# KiCad board poly_kb_molecule_16x5.kicad_pcb
title: PolyKB Atom; date: 2022-02-01; rev: 2.1; company: thpoll; note: AISLER Project ID: LBHFWPDY

Outline 304.8 x 95.25 mm; copper layers: Top, Bottom. Coordinates in mm from the lower left corner of the outline.
Outline path: 0,95.25 0,0 304.8,0 304.8,95.25 0,95.25 ; 5.53,78.49 arc(4.64,79.38) 5.53,80.26 13.52,80.26 arc(14.41,79.38) 13.52,78.49 5.53,78.49 ; 5.53,59.44 arc(4.64,60.33) 5.53,61.21 13.52,61.21 arc(14.41,60.33) 13.52,59.44 5.53,59.44 ; 5.53,40.39 arc(4.64,41.27) 5.53,42.16 13.52,42.16 arc(14.41,41.27) 13.52,40.39 5.53,40.39 ; 5.53,21.34 arc(4.64,22.22) 5.53,23.11 13.52,23.11 arc(14.41,22.22) 13.52,21.34 5.53,21.34 ; 5.53,2.29 arc(4.64,3.17) 5.53,4.06 13.52,4.06 arc(14.41,3.17) 13.52,2.29 5.53,2.29 ; 24.58,78.49 arc(23.7,79.38) 24.58,80.26 32.57,80.26 arc(33.45,79.38) 32.57,78.49 24.58,78.49 ; 24.58,59.44 arc(23.7,60.33) 24.58,61.21 32.57,61.21 arc(33.45,60.33) 32.57,59.44 24.58,59.44 ; 24.58,40.39 arc(23.7,41.27) 24.58,42.16 32.57,42.16 arc(33.45,41.27) 32.57,40.39 24.58,40.39 ; 24.58,21.34 arc(23.7,22.22) 24.58,23.11 32.57,23.11 arc(33.45,22.22) 32.57,21.34 24.58,21.34 ; 24.58,2.29 arc(23.7,3.17) 24.58,4.06 32.57,4.06 arc(33.45,3.17) 32.57,2.29 24.58,2.29 ; 43.63,78.49 arc(42.75,79.38) 43.63,80.26 51.62,80.26 arc(52.5,79.38) 51.62,78.49 43.63,78.49 ; 43.63,59.44 arc(42.75,60.33) 43.63,61.21 51.62,61.21 arc(52.5,60.33) 51.62,59.44 43.63,59.44 ; 43.63,40.39 arc(42.75,41.27) 43.63,42.16 51.62,42.16 arc(52.5,41.27) 51.62,40.39 43.63,40.39 ; 43.63,21.34 arc(42.75,22.22) 43.63,23.11 51.62,23.11 arc(52.5,22.22) 51.62,21.34 43.63,21.34 ; 43.63,2.29 arc(42.75,3.17) 43.63,4.06 51.62,4.06 arc(52.5,3.17) 51.62,2.29 43.63,2.29 ; 62.68,78.49 arc(61.8,79.38) 62.68,80.26 70.67,80.26 arc(71.55,79.38) 70.67,78.49 62.68,78.49 ; 62.68,59.44 arc(61.8,60.33) 62.68,61.21 70.67,61.21 arc(71.55,60.33) 70.67,59.44 62.68,59.44 ; 62.68,40.39 arc(61.8,41.27) 62.68,42.16 70.67,42.16 arc(71.55,41.27) 70.67,40.39 62.68,40.39 ; 62.68,21.34 arc(61.8,22.22) 62.68,23.11 70.67,23.11 arc(71.55,22.22) 70.67,21.34 62.68,21.34 ; 62.68,2.29 arc(61.8,3.17) 62.68,4.06 70.67,4.06 arc(71.55,3.17) 70.67,2.29 62.68,2.29 ; 81.73,78.49 arc(80.84,79.38) 81.73,80.26 89.72,80.26 arc(90.61,79.38) 89.72,78.49 81.73,78.49 ; 81.73,59.44 arc(80.84,60.33) 81.73,61.21 89.72,61.21 arc(90.61,60.33) 89.72,59.44 81.73,59.44 ; 81.73,40.39 arc(80.84,41.27) 81.73,42.16 89.72,42.16 arc(90.61,41.27) 89.72,40.39 81.73,40.39 ; 81.73,21.34 arc(80.84,22.22) 81.73,23.11 89.72,23.11 arc(90.61,22.22) 89.72,21.34 81.73,21.34 ; 81.73,2.29 arc(80.84,3.17) 81.73,4.06 89.72,4.06 arc(90.61,3.17) 89.72,2.29 81.73,2.29 ; 100.78,78.49 arc(99.9,79.38) 100.78,80.26 108.77,80.26 arc(109.66,79.38) 108.77,78.49 100.78,78.49 ; 100.78,59.44 arc(99.9,60.33) 100.78,61.21 108.77,61.21 arc(109.66,60.33) 108.77,59.44 100.78,59.44 ; 100.78,40.39 arc(99.9,41.27) 100.78,42.16 108.77,42.16 arc(109.66,41.27) 108.77,40.39 100.78,40.39 ; 100.78,21.34 arc(99.9,22.22) 100.78,23.11 108.77,23.11 arc(109.66,22.22) 108.77,21.34 100.78,21.34 ; 100.78,2.29 arc(99.9,3.17) 100.78,4.06 108.77,4.06 arc(109.66,3.17) 108.77,2.29 100.78,2.29 ; 119.83,78.49 arc(118.94,79.38) 119.83,80.26 127.82,80.26 arc(128.71,79.38) 127.82,78.49 119.83,78.49 ; 119.83,59.44 arc(118.94,60.33) 119.83,61.21 127.82,61.21 arc(128.71,60.33) 127.82,59.44 119.83,59.44 ; 119.83,40.39 arc(118.94,41.27) 119.83,42.16 127.82,42.16 arc(128.71,41.27) 127.82,40.39 119.83,40.39 ; 119.83,21.34 arc(118.94,22.22) 119.83,23.11 127.82,23.11 arc(128.71,22.22) 127.82,21.34 119.83,21.34 ; 119.83,2.29 arc(118.94,3.17) 119.83,4.06 127.82,4.06 arc(128.71,3.17) 127.82,2.29 119.83,2.29 ; 138.88,78.49 arc(138,79.38) 138.88,80.26 146.87,80.26 arc(147.75,79.38) 146.87,78.49 138.88,78.49 ; 138.88,59.44 arc(138,60.33) 138.88,61.21 146.87,61.21 arc(147.75,60.33) 146.87,59.44 138.88,59.44 ; 138.88,40.39 arc(138,41.27) 138.88,42.16 146.87,42.16 arc(147.75,41.27) 146.87,40.39 138.88,40.39 ; 138.88,21.34 arc(138,22.22) 138.88,23.11 146.87,23.11 arc(147.75,22.22) 146.87,21.34 138.88,21.34 ; 138.88,2.29 arc(138,3.17) 138.88,4.06 146.87,4.06 arc(147.75,3.17) 146.87,2.29 138.88,2.29 ; 157.93,78.49 arc(157.04,79.38) 157.93,80.26 165.92,80.26 arc(166.81,79.38) 165.92,78.49 157.93,78.49 ; 157.93,59.44 arc(157.04,60.33) 157.93,61.21 165.92,61.21 arc(166.81,60.33) 165.92,59.44 157.93,59.44 ; 157.93,40.39 arc(157.04,41.27) 157.93,42.16 165.92,42.16 arc(166.81,41.27) 165.92,40.39 157.93,40.39 ; 157.93,21.34 arc(157.04,22.22) 157.93,23.11 165.92,23.11 arc(166.81,22.22) 165.92,21.34 157.93,21.34 ; 157.93,2.29 arc(157.04,3.17) 157.93,4.06 165.92,4.06 arc(166.81,3.17) 165.92,2.29 157.93,2.29 ; 176.98,78.49 arc(176.09,79.38) 176.98,80.26 184.97,80.26 arc(185.85,79.38) 184.97,78.49 176.98,78.49 ; 176.98,59.44 arc(176.09,60.33) 176.98,61.21 184.97,61.21 arc(185.85,60.33) 184.97,59.44 176.98,59.44 ; 176.98,40.39 arc(176.09,41.27) 176.98,42.16 184.97,42.16 arc(185.85,41.27) 184.97,40.39 176.98,40.39 ; 176.98,21.34 arc(176.09,22.22) 176.98,23.11 184.97,23.11 arc(185.85,22.22) 184.97,21.34 176.98,21.34 ; 176.98,2.29 arc(176.09,3.17) 176.98,4.06 184.97,4.06 arc(185.85,3.17) 184.97,2.29 176.98,2.29 ; 196.03,78.49 arc(195.15,79.38) 196.03,80.26 204.02,80.26 arc(204.91,79.38) 204.02,78.49 196.03,78.49 ; 196.03,59.44 arc(195.15,60.33) 196.03,61.21 204.02,61.21 arc(204.91,60.33) 204.02,59.44 196.03,59.44 ; 196.03,40.39 arc(195.15,41.27) 196.03,42.16 204.02,42.16 arc(204.91,41.27) 204.02,40.39 196.03,40.39 ; 196.03,21.34 arc(195.15,22.22) 196.03,23.11 204.02,23.11 arc(204.91,22.22) 204.02,21.34 196.03,21.34 ; 196.03,2.29 arc(195.15,3.17) 196.03,4.06 204.02,4.06 arc(204.91,3.17) 204.02,2.29 196.03,2.29 ; 215.08,78.49 arc(214.19,79.38) 215.08,80.26 223.07,80.26 arc(223.95,79.38) 223.07,78.49 215.08,78.49 ; 215.08,59.44 arc(214.19,60.33) 215.08,61.21 223.07,61.21 arc(223.95,60.33) 223.07,59.44 215.08,59.44 ; 215.08,40.39 arc(214.19,41.27) 215.08,42.16 223.07,42.16 arc(223.95,41.27) 223.07,40.39 215.08,40.39 ; 215.08,21.34 arc(214.19,22.22) 215.08,23.11 223.07,23.11 arc(223.95,22.22) 223.07,21.34 215.08,21.34 ; 215.08,2.29 arc(214.19,3.17) 215.08,4.06 223.07,4.06 arc(223.95,3.17) 223.07,2.29 215.08,2.29 ; 234.13,78.49 arc(233.25,79.38) 234.13,80.26 242.12,80.26 arc(243,79.38) 242.12,78.49 234.13,78.49 ; 234.13,59.44 arc(233.25,60.33) 234.13,61.21 242.12,61.21 arc(243,60.33) 242.12,59.44 234.13,59.44 ; 234.13,40.39 arc(233.25,41.27) 234.13,42.16 242.12,42.16 arc(243,41.27) 242.12,40.39 234.13,40.39 ; 234.13,21.34 arc(233.25,22.22) 234.13,23.11 242.12,23.11 arc(243,22.22) 242.12,21.34 234.13,21.34 ; 234.13,2.29 arc(233.25,3.17) 234.13,4.06 242.12,4.06 arc(243,3.17) 242.12,2.29 234.13,2.29 ; 253.18,78.49 arc(252.3,79.38) 253.18,80.26 261.17,80.26 arc(262.06,79.38) 261.17,78.49 253.18,78.49 ; 253.18,59.44 arc(252.3,60.33) 253.18,61.21 261.17,61.21 arc(262.06,60.33) 261.17,59.44 253.18,59.44 ; 253.18,40.39 arc(252.3,41.27) 253.18,42.16 261.17,42.16 arc(262.06,41.27) 261.17,40.39 253.18,40.39 ; 253.18,21.34 arc(252.3,22.22) 253.18,23.11 261.17,23.11 arc(262.06,22.22) 261.17,21.34 253.18,21.34 ; 253.18,2.29 arc(252.3,3.17) 253.18,4.06 261.17,4.06 arc(262.06,3.17) 261.17,2.29 253.18,2.29 ; 272.23,78.49 arc(271.34,79.38) 272.23,80.26 280.22,80.26 arc(281.11,79.38) 280.22,78.49 272.23,78.49 ; 272.23,59.44 arc(271.34,60.33) 272.23,61.21 280.22,61.21 arc(281.11,60.33) 280.22,59.44 272.23,59.44 ; 272.23,40.39 arc(271.34,41.27) 272.23,42.16 280.22,42.16 arc(281.11,41.27) 280.22,40.39 272.23,40.39 ; 272.23,21.34 arc(271.34,22.22) 272.23,23.11 280.22,23.11 arc(281.11,22.22) 280.22,21.34 272.23,21.34 ; 272.23,2.29 arc(271.34,3.17) 272.23,4.06 280.22,4.06 arc(281.11,3.17) 280.22,2.29 272.23,2.29 ; 291.28,78.49 arc(290.39,79.38) 291.28,80.26 299.27,80.26 arc(300.15,79.38) 299.27,78.49 291.28,78.49 ; 291.28,59.44 arc(290.39,60.33) 291.28,61.21 299.27,61.21 arc(300.15,60.33) 299.27,59.44 291.28,59.44 ; 291.28,40.39 arc(290.39,41.27) 291.28,42.16 299.27,42.16 arc(300.15,41.27) 299.27,40.39 291.28,40.39 ; 291.28,21.34 arc(290.39,22.22) 291.28,23.11 299.27,23.11 arc(300.15,22.22) 299.27,21.34 291.28,21.34 ; 291.28,2.29 arc(290.39,3.17) 291.28,4.06 299.27,4.06 arc(300.15,3.17) 299.27,2.29 291.28,2.29
Stack: Top 0.035mm / dielectric 1.51mm FR4 er 4.5 / Bottom 0.035mm

## Placement (name value [footprint] x y rotation side)
C1  2.2uF  [C_0603_1608Metric]  12.6 86.15 180 bottom
C1#2  2.2uF  [C_0603_1608Metric]  298.35 86.15 180 bottom
C1#3  2.2uF  [C_0603_1608Metric]  126.9 29 180 bottom
C1#4  2.2uF  [C_0603_1608Metric]  184.05 86.15 180 bottom
C1#5  2.2uF  [C_0603_1608Metric]  241.2 29 180 bottom
C1#6  2.2uF  [C_0603_1608Metric]  165 29 180 bottom
C1#7  2.2uF  [C_0603_1608Metric]  126.9 86.15 180 bottom
C1#8  2.2uF  [C_0603_1608Metric]  145.95 67.1 180 bottom
C1#9  2.2uF  [C_0603_1608Metric]  298.35 48.05 180 bottom
C1#10  2.2uF  [C_0603_1608Metric]  298.35 67.1 180 bottom
C1#11  2.2uF  [C_0603_1608Metric]  279.3 48.05 180 bottom
C1#12  2.2uF  [C_0603_1608Metric]  145.95 86.15 180 bottom
C1#13  2.2uF  [C_0603_1608Metric]  165 86.15 180 bottom
C1#14  2.2uF  [C_0603_1608Metric]  241.2 67.1 180 bottom
C1#15  2.2uF  [C_0603_1608Metric]  279.3 29 180 bottom
C1#16  2.2uF  [C_0603_1608Metric]  88.8 9.95 180 bottom
C1#17  2.2uF  [C_0603_1608Metric]  165 9.95 180 bottom
C1#18  2.2uF  [C_0603_1608Metric]  88.8 29 180 bottom
C1#19  2.2uF  [C_0603_1608Metric]  222.15 86.15 180 bottom
C1#20  2.2uF  [C_0603_1608Metric]  222.15 29 180 bottom
C1#21  2.2uF  [C_0603_1608Metric]  50.7 29 180 bottom
C1#22  2.2uF  [C_0603_1608Metric]  241.2 9.95 180 bottom
C1#23  2.2uF  [C_0603_1608Metric]  222.15 48.05 180 bottom
C1#24  2.2uF  [C_0603_1608Metric]  145.95 48.05 180 bottom
C1#25  2.2uF  [C_0603_1608Metric]  107.85 48.05 180 bottom
C1#26  2.2uF  [C_0603_1608Metric]  145.95 29 180 bottom
C1#27  2.2uF  [C_0603_1608Metric]  203.1 67.1 180 bottom
C1#28  2.2uF  [C_0603_1608Metric]  31.65 67.1 180 bottom
C1#29  2.2uF  [C_0603_1608Metric]  222.15 9.95 180 bottom
C1#30  2.2uF  [C_0603_1608Metric]  69.75 9.95 180 bottom
C1#31  2.2uF  [C_0603_1608Metric]  279.3 9.95 180 bottom
C1#32  2.2uF  [C_0603_1608Metric]  69.75 29 180 bottom
C1#33  2.2uF  [C_0603_1608Metric]  126.9 48.05 180 bottom
C1#34  2.2uF  [C_0603_1608Metric]  184.05 9.95 180 bottom
C1#35  2.2uF  [C_0603_1608Metric]  298.35 29 180 bottom
C1#36  2.2uF  [C_0603_1608Metric]  12.6 67.1 180 bottom
C1#37  2.2uF  [C_0603_1608Metric]  31.65 29 180 bottom
C1#38  2.2uF  [C_0603_1608Metric]  69.75 48.05 180 bottom
C1#39  2.2uF  [C_0603_1608Metric]  88.8 86.15 180 bottom
C1#40  2.2uF  [C_0603_1608Metric]  107.85 29 180 bottom
C1#41  2.2uF  [C_0603_1608Metric]  126.9 9.95 180 bottom
C1#42  2.2uF  [C_0603_1608Metric]  126.9 67.1 180 bottom
C1#43  2.2uF  [C_0603_1608Metric]  31.65 48.05 180 bottom
C1#44  2.2uF  [C_0603_1608Metric]  203.1 86.15 180 bottom
C1#45  2.2uF  [C_0603_1608Metric]  88.8 48.05 180 bottom
C1#46  2.2uF  [C_0603_1608Metric]  50.7 9.95 180 bottom
C1#47  2.2uF  [C_0603_1608Metric]  203.1 29 180 bottom
C1#48  2.2uF  [C_0603_1608Metric]  31.65 86.15 180 bottom
C1#49  2.2uF  [C_0603_1608Metric]  69.75 67.1 180 bottom
C1#50  2.2uF  [C_0603_1608Metric]  260.25 9.95 180 bottom
C1#51  2.2uF  [C_0603_1608Metric]  184.05 29 180 bottom
C1#52  2.2uF  [C_0603_1608Metric]  50.7 48.05 180 bottom
C1#53  2.2uF  [C_0603_1608Metric]  107.85 86.15 180 bottom
C1#54  2.2uF  [C_0603_1608Metric]  69.75 86.15 180 bottom
C1#55  2.2uF  [C_0603_1608Metric]  12.6 29 180 bottom
C1#56  2.2uF  [C_0603_1608Metric]  260.25 86.15 180 bottom
C1#57  2.2uF  [C_0603_1608Metric]  145.95 9.95 180 bottom
C1#58  2.2uF  [C_0603_1608Metric]  279.3 67.1 180 bottom
C1#59  2.2uF  [C_0603_1608Metric]  298.35 9.95 180 bottom
C1#60  2.2uF  [C_0603_1608Metric]  165 48.05 180 bottom
C1#61  2.2uF  [C_0603_1608Metric]  88.8 67.1 180 bottom
C1#62  2.2uF  [C_0603_1608Metric]  279.3 86.15 180 bottom
C1#63  2.2uF  [C_0603_1608Metric]  107.85 67.1 180 bottom
C1#64  2.2uF  [C_0603_1608Metric]  107.85 9.95 180 bottom
C1#65  2.2uF  [C_0603_1608Metric]  184.05 67.1 180 bottom
C1#66  2.2uF  [C_0603_1608Metric]  12.6 48.05 180 bottom
C1#67  2.2uF  [C_0603_1608Metric]  241.2 48.05 180 bottom
C1#68  2.2uF  [C_0603_1608Metric]  50.7 67.1 180 bottom
C1#69  2.2uF  [C_0603_1608Metric]  165 67.1 180 bottom
C1#70  2.2uF  [C_0603_1608Metric]  241.2 86.15 180 bottom
C1#71  2.2uF  [C_0603_1608Metric]  203.1 9.95 180 bottom
C1#72  2.2uF  [C_0603_1608Metric]  260.25 67.1 180 bottom
C1#73  2.2uF  [C_0603_1608Metric]  260.25 29 180 bottom
C1#74  2.2uF  [C_0603_1608Metric]  260.25 48.05 180 bottom
C1#75  2.2uF  [C_0603_1608Metric]  203.1 48.05 180 bottom
C1#76  2.2uF  [C_0603_1608Metric]  31.65 9.95 180 bottom
C1#77  2.2uF  [C_0603_1608Metric]  184.05 48.05 180 bottom
C1#78  2.2uF  [C_0603_1608Metric]  222.15 67.1 180 bottom
C1#79  2.2uF  [C_0603_1608Metric]  12.6 9.95 180 bottom
C1#80  2.2uF  [C_0603_1608Metric]  50.7 86.15 180 bottom
C2  2.2uF  [C_0603_1608Metric]  5.21 89.6 90 bottom
C2#2  2.2uF  [C_0603_1608Metric]  43.31 70.55 90 bottom
C2#3  2.2uF  [C_0603_1608Metric]  119.51 13.4 90 bottom
C2#4  2.2uF  [C_0603_1608Metric]  43.31 32.45 90 bottom
C2#5  2.2uF  [C_0603_1608Metric]  62.36 89.6 90 bottom
C2#6  2.2uF  [C_0603_1608Metric]  100.46 89.6 90 bottom
C2#7  2.2uF  [C_0603_1608Metric]  5.21 13.4 90 bottom
C2#8  2.2uF  [C_0603_1608Metric]  176.66 13.4 90 bottom
C2#9  2.2uF  [C_0603_1608Metric]  290.96 32.45 90 bottom
C2#10  2.2uF  [C_0603_1608Metric]  233.81 13.4 90 bottom
C2#11  2.2uF  [C_0603_1608Metric]  252.86 51.5 90 bottom
C2#12  2.2uF  [C_0603_1608Metric]  119.51 89.6 90 bottom
C2#13  2.2uF  [C_0603_1608Metric]  5.21 51.5 90 bottom
C2#14  2.2uF  [C_0603_1608Metric]  24.26 51.5 90 bottom
C2#15  2.2uF  [C_0603_1608Metric]  100.46 70.55 90 bottom
C2#16  2.2uF  [C_0603_1608Metric]  24.26 89.6 90 bottom
C2#17  2.2uF  [C_0603_1608Metric]  214.76 32.45 90 bottom
C2#18  2.2uF  [C_0603_1608Metric]  290.96 70.55 90 bottom
C2#19  2.2uF  [C_0603_1608Metric]  271.91 89.6 90 bottom
C2#20  2.2uF  [C_0603_1608Metric]  157.61 13.4 90 bottom
C2#21  2.2uF  [C_0603_1608Metric]  176.66 32.45 90 bottom
C2#22  2.2uF  [C_0603_1608Metric]  233.81 89.6 90 bottom
C2#23  2.2uF  [C_0603_1608Metric]  157.61 51.5 90 bottom
C2#24  2.2uF  [C_0603_1608Metric]  62.36 32.45 90 bottom
C2#25  2.2uF  [C_0603_1608Metric]  195.71 70.55 90 bottom
C2#26  2.2uF  [C_0603_1608Metric]  290.96 89.6 90 bottom
C2#27  2.2uF  [C_0603_1608Metric]  5.21 70.55 90 bottom
C2#28  2.2uF  [C_0603_1608Metric]  81.41 51.5 90 bottom
C2#29  2.2uF  [C_0603_1608Metric]  176.66 51.5 90 bottom
C2#30  2.2uF  [C_0603_1608Metric]  100.46 51.5 90 bottom
C2#31  2.2uF  [C_0603_1608Metric]  195.71 32.45 90 bottom
C2#32  2.2uF  [C_0603_1608Metric]  5.21 32.45 90 bottom
C2#33  2.2uF  [C_0603_1608Metric]  252.86 32.45 90 bottom
C2#34  2.2uF  [C_0603_1608Metric]  43.31 51.5 90 bottom
C2#35  2.2uF  [C_0603_1608Metric]  138.56 89.6 90 bottom
C2#36  2.2uF  [C_0603_1608Metric]  43.31 13.4 90 bottom
C2#37  2.2uF  [C_0603_1608Metric]  214.76 51.5 90 bottom
C2#38  2.2uF  [C_0603_1608Metric]  81.41 13.4 90 bottom
C2#39  2.2uF  [C_0603_1608Metric]  195.71 89.6 90 bottom
C2#40  2.2uF  [C_0603_1608Metric]  271.91 70.55 90 bottom
C2#41  2.2uF  [C_0603_1608Metric]  62.36 70.55 90 bottom
C2#42  2.2uF  [C_0603_1608Metric]  271.91 13.4 90 bottom
C2#43  2.2uF  [C_0603_1608Metric]  81.41 89.6 90 bottom
C2#44  2.2uF  [C_0603_1608Metric]  100.46 32.45 90 bottom
C2#45  2.2uF  [C_0603_1608Metric]  157.61 32.45 90 bottom
C2#46  2.2uF  [C_0603_1608Metric]  157.61 89.6 90 bottom
C2#47  2.2uF  [C_0603_1608Metric]  252.86 70.55 90 bottom
C2#48  2.2uF  [C_0603_1608Metric]  24.26 70.55 90 bottom
C2#49  2.2uF  [C_0603_1608Metric]  138.56 13.4 90 bottom
C2#50  2.2uF  [C_0603_1608Metric]  81.41 70.55 90 bottom
C2#51  2.2uF  [C_0603_1608Metric]  24.26 13.4 90 bottom
C2#52  2.2uF  [C_0603_1608Metric]  24.26 32.45 90 bottom
C2#53  2.2uF  [C_0603_1608Metric]  252.86 13.4 90 bottom
C2#54  2.2uF  [C_0603_1608Metric]  43.31 89.6 90 bottom
C2#55  2.2uF  [C_0603_1608Metric]  214.76 89.6 90 bottom
C2#56  2.2uF  [C_0603_1608Metric]  176.66 70.55 90 bottom
C2#57  2.2uF  [C_0603_1608Metric]  195.71 13.4 90 bottom
C2#58  2.2uF  [C_0603_1608Metric]  81.41 32.45 90 bottom
C2#59  2.2uF  [C_0603_1608Metric]  62.36 51.5 90 bottom
C2#60  2.2uF  [C_0603_1608Metric]  100.46 13.4 90 bottom
C2#61  2.2uF  [C_0603_1608Metric]  271.91 32.45 90 bottom
C2#62  2.2uF  [C_0603_1608Metric]  138.56 70.55 90 bottom
C2#63  2.2uF  [C_0603_1608Metric]  157.61 70.55 90 bottom
C2#64  2.2uF  [C_0603_1608Metric]  119.51 32.45 90 bottom
C2#65  2.2uF  [C_0603_1608Metric]  138.56 32.45 90 bottom
C2#66  2.2uF  [C_0603_1608Metric]  119.51 70.55 90 bottom
C2#67  2.2uF  [C_0603_1608Metric]  214.76 70.55 90 bottom
C2#68  2.2uF  [C_0603_1608Metric]  290.96 13.4 90 bottom
C2#69  2.2uF  [C_0603_1608Metric]  119.51 51.5 90 bottom
C2#70  2.2uF  [C_0603_1608Metric]  62.36 13.4 90 bottom
C2#71  2.2uF  [C_0603_1608Metric]  233.81 70.55 90 bottom
C2#72  2.2uF  [C_0603_1608Metric]  290.96 51.5 90 bottom
C2#73  2.2uF  [C_0603_1608Metric]  271.91 51.5 90 bottom
C2#74  2.2uF  [C_0603_1608Metric]  195.71 51.5 90 bottom
C2#75  2.2uF  [C_0603_1608Metric]  176.66 89.6 90 bottom
C2#76  2.2uF  [C_0603_1608Metric]  214.76 13.4 90 bottom
C2#77  2.2uF  [C_0603_1608Metric]  138.56 51.5 90 bottom
C2#78  2.2uF  [C_0603_1608Metric]  233.81 32.45 90 bottom
C2#79  2.2uF  [C_0603_1608Metric]  252.86 89.6 90 bottom
C2#80  2.2uF  [C_0603_1608Metric]  233.81 51.5 90 bottom
C3  1uF  [C_0402_1005Metric]  2.92 92.46 90 bottom
C3#2  1uF  [C_0402_1005Metric]  60.07 54.36 90 bottom
C3#3  1uF  [C_0402_1005Metric]  231.52 92.46 90 bottom
C3#4  1uF  [C_0402_1005Metric]  250.57 73.41 90 bottom
C3#5  1uF  [C_0402_1005Metric]  288.67 73.41 90 bottom
C3#6  1uF  [C_0402_1005Metric]  250.57 35.31 90 bottom
C3#7  1uF  [C_0402_1005Metric]  136.27 54.36 90 bottom
C3#8  1uF  [C_0402_1005Metric]  193.42 73.41 90 bottom
C3#9  1uF  [C_0402_1005Metric]  231.52 16.26 90 bottom
C3#10  1uF  [C_0402_1005Metric]  174.37 73.41 90 bottom
C3#11  1uF  [C_0402_1005Metric]  155.32 73.41 90 bottom
C3#12  1uF  [C_0402_1005Metric]  60.07 92.46 90 bottom
C3#13  1uF  [C_0402_1005Metric]  231.52 35.31 90 bottom
C3#14  1uF  [C_0402_1005Metric]  212.47 92.46 90 bottom
C3#15  1uF  [C_0402_1005Metric]  231.52 54.36 90 bottom
C3#16  1uF  [C_0402_1005Metric]  98.17 35.31 90 bottom
C3#17  1uF  [C_0402_1005Metric]  174.37 16.26 90 bottom
C3#18  1uF  [C_0402_1005Metric]  212.47 54.36 90 bottom
C3#19  1uF  [C_0402_1005Metric]  117.22 35.31 90 bottom
C3#20  1uF  [C_0402_1005Metric]  155.32 16.26 90 bottom
C3#21  1uF  [C_0402_1005Metric]  288.67 35.31 90 bottom
C3#22  1uF  [C_0402_1005Metric]  136.27 92.46 90 bottom
C3#23  1uF  [C_0402_1005Metric]  174.37 35.31 90 bottom
C3#24  1uF  [C_0402_1005Metric]  250.57 92.46 90 bottom
C3#25  1uF  [C_0402_1005Metric]  212.47 35.31 90 bottom
C3#26  1uF  [C_0402_1005Metric]  288.67 54.36 90 bottom
C3#27  1uF  [C_0402_1005Metric]  250.57 16.26 90 bottom
C3#28  1uF  [C_0402_1005Metric]  269.62 54.36 90 bottom
C3#29  1uF  [C_0402_1005Metric]  41.02 73.41 90 bottom
C3#30  1uF  [C_0402_1005Metric]  193.42 16.26 90 bottom
C3#31  1uF  [C_0402_1005Metric]  136.27 73.41 90 bottom
C3#32  1uF  [C_0402_1005Metric]  41.02 92.46 90 bottom
C3#33  1uF  [C_0402_1005Metric]  136.27 16.26 90 bottom
C3#34  1uF  [C_0402_1005Metric]  174.37 92.46 90 bottom
C3#35  1uF  [C_0402_1005Metric]  79.12 92.46 90 bottom
C3#36  1uF  [C_0402_1005Metric]  79.12 54.36 90 bottom
C3#37  1uF  [C_0402_1005Metric]  155.32 54.36 90 bottom
C3#38  1uF  [C_0402_1005Metric]  193.42 92.46 90 bottom
C3#39  1uF  [C_0402_1005Metric]  269.62 16.26 90 bottom
C3#40  1uF  [C_0402_1005Metric]  269.62 35.31 90 bottom
C3#41  1uF  [C_0402_1005Metric]  212.47 16.26 90 bottom
C3#42  1uF  [C_0402_1005Metric]  79.12 16.26 90 bottom
C3#43  1uF  [C_0402_1005Metric]  212.47 73.41 90 bottom
C3#44  1uF  [C_0402_1005Metric]  98.17 73.41 90 bottom
C3#45  1uF  [C_0402_1005Metric]  117.22 73.41 90 bottom
C3#46  1uF  [C_0402_1005Metric]  21.97 54.36 90 bottom
C3#47  1uF  [C_0402_1005Metric]  2.92 16.26 90 bottom
C3#48  1uF  [C_0402_1005Metric]  155.32 92.46 90 bottom
C3#49  1uF  [C_0402_1005Metric]  250.57 54.36 90 bottom
C3#50  1uF  [C_0402_1005Metric]  21.97 35.31 90 bottom
C3#51  1uF  [C_0402_1005Metric]  136.27 35.31 90 bottom
C3#52  1uF  [C_0402_1005Metric]  98.17 54.36 90 bottom
C3#53  1uF  [C_0402_1005Metric]  21.97 16.26 90 bottom
C3#54  1uF  [C_0402_1005Metric]  41.02 16.26 90 bottom
C3#55  1uF  [C_0402_1005Metric]  117.22 54.36 90 bottom
C3#56  1uF  [C_0402_1005Metric]  155.32 35.31 90 bottom
C3#57  1uF  [C_0402_1005Metric]  79.12 73.41 90 bottom
C3#58  1uF  [C_0402_1005Metric]  117.22 92.46 90 bottom
C3#59  1uF  [C_0402_1005Metric]  79.12 35.31 90 bottom
C3#60  1uF  [C_0402_1005Metric]  2.92 54.36 90 bottom
C3#61  1uF  [C_0402_1005Metric]  21.97 73.41 90 bottom
C3#62  1uF  [C_0402_1005Metric]  2.92 35.31 90 bottom
C3#63  1uF  [C_0402_1005Metric]  117.22 16.26 90 bottom
C3#64  1uF  [C_0402_1005Metric]  60.07 35.31 90 bottom
C3#65  1uF  [C_0402_1005Metric]  98.17 92.46 90 bottom
C3#66  1uF  [C_0402_1005Metric]  269.62 92.46 90 bottom
C3#67  1uF  [C_0402_1005Metric]  288.67 16.26 90 bottom
C3#68  1uF  [C_0402_1005Metric]  193.42 35.31 90 bottom
C3#69  1uF  [C_0402_1005Metric]  60.07 16.26 90 bottom
C3#70  1uF  [C_0402_1005Metric]  231.52 73.41 90 bottom
C3#71  1uF  [C_0402_1005Metric]  21.97 92.46 90 bottom
C3#72  1uF  [C_0402_1005Metric]  41.02 54.36 90 bottom
C3#73  1uF  [C_0402_1005Metric]  2.92 73.41 90 bottom
C3#74  1uF  [C_0402_1005Metric]  98.17 16.26 90 bottom
C3#75  1uF  [C_0402_1005Metric]  41.02 35.31 90 bottom
C3#76  1uF  [C_0402_1005Metric]  193.42 54.36 90 bottom
C3#77  1uF  [C_0402_1005Metric]  288.67 92.46 90 bottom
C3#78  1uF  [C_0402_1005Metric]  60.07 73.41 90 bottom
C3#79  1uF  [C_0402_1005Metric]  174.37 54.36 90 bottom
C3#80  1uF  [C_0402_1005Metric]  269.62 73.41 90 bottom
C4  4.7uF  [C_0603_1608Metric]  12.1 87.65 180 bottom
C4#2  4.7uF  [C_0603_1608Metric]  107.35 68.6 180 bottom
C4#3  4.7uF  [C_0603_1608Metric]  164.5 68.6 180 bottom
C4#4  4.7uF  [C_0603_1608Metric]  69.25 68.6 180 bottom
C4#5  4.7uF  [C_0603_1608Metric]  126.4 49.55 180 bottom
C4#6  4.7uF  [C_0603_1608Metric]  107.35 11.45 180 bottom
C4#7  4.7uF  [C_0603_1608Metric]  259.75 68.6 180 bottom
C4#8  4.7uF  [C_0603_1608Metric]  202.6 87.65 180 bottom
C4#9  4.7uF  [C_0603_1608Metric]  50.2 11.45 180 bottom
C4#10  4.7uF  [C_0603_1608Metric]  259.75 49.55 180 bottom
C4#11  4.7uF  [C_0603_1608Metric]  126.4 11.45 180 bottom
C4#12  4.7uF  [C_0603_1608Metric]  278.8 49.55 180 bottom
C4#13  4.7uF  [C_0603_1608Metric]  50.2 49.55 180 bottom
C4#14  4.7uF  [C_0603_1608Metric]  221.65 68.6 180 bottom
C4#15  4.7uF  [C_0603_1608Metric]  297.85 87.65 180 bottom
C4#16  4.7uF  [C_0603_1608Metric]  164.5 30.5 180 bottom
C4#17  4.7uF  [C_0603_1608Metric]  240.7 87.65 180 bottom
C4#18  4.7uF  [C_0603_1608Metric]  145.45 30.5 180 bottom
C4#19  4.7uF  [C_0603_1608Metric]  202.6 30.5 180 bottom
C4#20  4.7uF  [C_0603_1608Metric]  12.1 11.45 180 bottom
C4#21  4.7uF  [C_0603_1608Metric]  107.35 30.5 180 bottom
C4#22  4.7uF  [C_0603_1608Metric]  50.2 30.5 180 bottom
C4#23  4.7uF  [C_0603_1608Metric]  278.8 30.5 180 bottom
C4#24  4.7uF  [C_0603_1608Metric]  69.25 11.45 180 bottom
C4#25  4.7uF  [C_0603_1608Metric]  31.15 11.45 180 bottom
C4#26  4.7uF  [C_0603_1608Metric]  69.25 87.65 180 bottom
C4#27  4.7uF  [C_0603_1608Metric]  50.2 68.6 180 bottom
C4#28  4.7uF  [C_0603_1608Metric]  278.8 11.45 180 bottom
C4#29  4.7uF  [C_0603_1608Metric]  164.5 49.55 180 bottom
C4#30  4.7uF  [C_0603_1608Metric]  69.25 30.5 180 bottom
C4#31  4.7uF  [C_0603_1608Metric]  259.75 11.45 180 bottom
C4#32  4.7uF  [C_0603_1608Metric]  88.3 68.6 180 bottom
C4#33  4.7uF  [C_0603_1608Metric]  12.1 30.5 180 bottom
C4#34  4.7uF  [C_0603_1608Metric]  164.5 87.65 180 bottom
C4#35  4.7uF  [C_0603_1608Metric]  12.1 68.6 180 bottom
C4#36  4.7uF  [C_0603_1608Metric]  297.85 30.5 180 bottom
C4#37  4.7uF  [C_0603_1608Metric]  50.2 87.65 180 bottom
C4#38  4.7uF  [C_0603_1608Metric]  183.55 87.65 180 bottom
C4#39  4.7uF  [C_0603_1608Metric]  240.7 49.55 180 bottom
C4#40  4.7uF  [C_0603_1608Metric]  126.4 30.5 180 bottom
C4#41  4.7uF  [C_0603_1608Metric]  88.3 87.65 180 bottom
C4#42  4.7uF  [C_0603_1608Metric]  107.35 87.65 180 bottom
C4#43  4.7uF  [C_0603_1608Metric]  126.4 87.65 180 bottom
C4#44  4.7uF  [C_0603_1608Metric]  202.6 68.6 180 bottom
C4#45  4.7uF  [C_0603_1608Metric]  31.15 68.6 180 bottom
C4#46  4.7uF  [C_0603_1608Metric]  278.8 68.6 180 bottom
C4#47  4.7uF  [C_0603_1608Metric]  145.45 11.45 180 bottom
C4#48  4.7uF  [C_0603_1608Metric]  202.6 11.45 180 bottom
C4#49  4.7uF  [C_0603_1608Metric]  183.55 68.6 180 bottom
C4#50  4.7uF  [C_0603_1608Metric]  259.75 30.5 180 bottom
C4#51  4.7uF  [C_0603_1608Metric]  259.75 87.65 180 bottom
C4#52  4.7uF  [C_0603_1608Metric]  69.25 49.55 180 bottom
C4#53  4.7uF  [C_0603_1608Metric]  164.5 11.45 180 bottom
C4#54  4.7uF  [C_0603_1608Metric]  183.55 11.45 180 bottom
C4#55  4.7uF  [C_0603_1608Metric]  221.65 30.5 180 bottom
C4#56  4.7uF  [C_0603_1608Metric]  88.3 11.45 180 bottom
C4#57  4.7uF  [C_0603_1608Metric]  88.3 49.55 180 bottom
C4#58  4.7uF  [C_0603_1608Metric]  278.8 87.65 180 bottom
C4#59  4.7uF  [C_0603_1608Metric]  297.85 49.55 180 bottom
C4#60  4.7uF  [C_0603_1608Metric]  202.6 49.55 180 bottom
C4#61  4.7uF  [C_0603_1608Metric]  240.7 30.5 180 bottom
C4#62  4.7uF  [C_0603_1608Metric]  221.65 11.45 180 bottom
C4#63  4.7uF  [C_0603_1608Metric]  183.55 30.5 180 bottom
C4#64  4.7uF  [C_0603_1608Metric]  88.3 30.5 180 bottom
C4#65  4.7uF  [C_0603_1608Metric]  107.35 49.55 180 bottom
C4#66  4.7uF  [C_0603_1608Metric]  221.65 87.65 180 bottom
C4#67  4.7uF  [C_0603_1608Metric]  145.45 87.65 180 bottom
C4#68  4.7uF  [C_0603_1608Metric]  12.1 49.55 180 bottom
C4#69  4.7uF  [C_0603_1608Metric]  240.7 68.6 180 bottom
C4#70  4.7uF  [C_0603_1608Metric]  145.45 49.55 180 bottom
C4#71  4.7uF  [C_0603_1608Metric]  240.7 11.45 180 bottom
C4#72  4.7uF  [C_0603_1608Metric]  126.4 68.6 180 bottom
C4#73  4.7uF  [C_0603_1608Metric]  297.85 68.6 180 bottom
C4#74  4.7uF  [C_0603_1608Metric]  31.15 87.65 180 bottom
C4#75  4.7uF  [C_0603_1608Metric]  31.15 49.55 180 bottom
C4#76  4.7uF  [C_0603_1608Metric]  221.65 49.55 180 bottom
C4#77  4.7uF  [C_0603_1608Metric]  297.85 11.45 180 bottom
C4#78  4.7uF  [C_0603_1608Metric]  183.55 49.55 180 bottom
C4#79  4.7uF  [C_0603_1608Metric]  31.15 30.5 180 bottom
C4#80  4.7uF  [C_0603_1608Metric]  145.45 68.6 180 bottom
C5  1uF  [C_0402_1005Metric]  7.29 89.39 90 bottom
C5#2  1uF  [C_0402_1005Metric]  64.44 70.34 90 bottom
C5#3  1uF  [C_0402_1005Metric]  254.94 89.39 90 bottom
C5#4  1uF  [C_0402_1005Metric]  26.34 89.39 90 bottom
C5#5  1uF  [C_0402_1005Metric]  26.34 13.19 90 bottom
C5#6  1uF  [C_0402_1005Metric]  64.44 32.24 90 bottom
C5#7  1uF  [C_0402_1005Metric]  178.74 51.29 90 bottom
C5#8  1uF  [C_0402_1005Metric]  178.74 32.24 90 bottom
C5#9  1uF  [C_0402_1005Metric]  83.49 89.39 90 bottom
C5#10  1uF  [C_0402_1005Metric]  235.89 89.39 90 bottom
C5#11  1uF  [C_0402_1005Metric]  235.89 13.19 90 bottom
C5#12  1uF  [C_0402_1005Metric]  273.99 13.19 90 bottom
C5#13  1uF  [C_0402_1005Metric]  45.39 70.34 90 bottom
C5#14  1uF  [C_0402_1005Metric]  159.69 89.39 90 bottom
C5#15  1uF  [C_0402_1005Metric]  7.29 13.19 90 bottom
C5#16  1uF  [C_0402_1005Metric]  197.79 89.39 90 bottom
C5#17  1uF  [C_0402_1005Metric]  102.54 70.34 90 bottom
C5#18  1uF  [C_0402_1005Metric]  254.94 51.29 90 bottom
C5#19  1uF  [C_0402_1005Metric]  140.64 51.29 90 bottom
C5#20  1uF  [C_0402_1005Metric]  7.29 32.24 90 bottom
C5#21  1uF  [C_0402_1005Metric]  102.54 51.29 90 bottom
C5#22  1uF  [C_0402_1005Metric]  140.64 89.39 90 bottom
C5#23  1uF  [C_0402_1005Metric]  254.94 70.34 90 bottom
C5#24  1uF  [C_0402_1005Metric]  102.54 89.39 90 bottom
C5#25  1uF  [C_0402_1005Metric]  7.29 70.34 90 bottom
C5#26  1uF  [C_0402_1005Metric]  45.39 89.39 90 bottom
C5#27  1uF  [C_0402_1005Metric]  159.69 32.24 90 bottom
C5#28  1uF  [C_0402_1005Metric]  83.49 51.29 90 bottom
C5#29  1uF  [C_0402_1005Metric]  64.44 13.19 90 bottom
C5#30  1uF  [C_0402_1005Metric]  197.79 32.24 90 bottom
C5#31  1uF  [C_0402_1005Metric]  159.69 51.29 90 bottom
C5#32  1uF  [C_0402_1005Metric]  26.34 70.34 90 bottom
C5#33  1uF  [C_0402_1005Metric]  178.74 89.39 90 bottom
C5#34  1uF  [C_0402_1005Metric]  140.64 13.19 90 bottom
C5#35  1uF  [C_0402_1005Metric]  83.49 70.34 90 bottom
C5#36  1uF  [C_0402_1005Metric]  121.59 51.29 90 bottom
C5#37  1uF  [C_0402_1005Metric]  254.94 32.24 90 bottom
C5#38  1uF  [C_0402_1005Metric]  216.84 89.39 90 bottom
C5#39  1uF  [C_0402_1005Metric]  7.29 51.29 90 bottom
C5#40  1uF  [C_0402_1005Metric]  178.74 70.34 90 bottom
C5#41  1uF  [C_0402_1005Metric]  293.04 51.29 90 bottom
C5#42  1uF  [C_0402_1005Metric]  197.79 13.19 90 bottom
C5#43  1uF  [C_0402_1005Metric]  159.69 70.34 90 bottom
C5#44  1uF  [C_0402_1005Metric]  83.49 13.19 90 bottom
C5#45  1uF  [C_0402_1005Metric]  235.89 51.29 90 bottom
C5#46  1uF  [C_0402_1005Metric]  216.84 13.19 90 bottom
C5#47  1uF  [C_0402_1005Metric]  121.59 13.19 90 bottom
C5#48  1uF  [C_0402_1005Metric]  197.79 70.34 90 bottom
C5#49  1uF  [C_0402_1005Metric]  45.39 13.19 90 bottom
C5#50  1uF  [C_0402_1005Metric]  293.04 32.24 90 bottom
C5#51  1uF  [C_0402_1005Metric]  216.84 70.34 90 bottom
C5#52  1uF  [C_0402_1005Metric]  140.64 70.34 90 bottom
C5#53  1uF  [C_0402_1005Metric]  273.99 32.24 90 bottom
C5#54  1uF  [C_0402_1005Metric]  102.54 32.24 90 bottom
C5#55  1uF  [C_0402_1005Metric]  64.44 89.39 90 bottom
C5#56  1uF  [C_0402_1005Metric]  235.89 70.34 90 bottom
C5#57  1uF  [C_0402_1005Metric]  26.34 32.24 90 bottom
C5#58  1uF  [C_0402_1005Metric]  121.59 70.34 90 bottom
C5#59  1uF  [C_0402_1005Metric]  273.99 70.34 90 bottom
C5#60  1uF  [C_0402_1005Metric]  293.04 70.34 90 bottom
C5#61  1uF  [C_0402_1005Metric]  102.54 13.19 90 bottom
C5#62  1uF  [C_0402_1005Metric]  235.89 32.24 90 bottom
C5#63  1uF  [C_0402_1005Metric]  293.04 89.39 90 bottom
C5#64  1uF  [C_0402_1005Metric]  293.04 13.19 90 bottom
C5#65  1uF  [C_0402_1005Metric]  26.34 51.29 90 bottom
C5#66  1uF  [C_0402_1005Metric]  64.44 51.29 90 bottom
C5#67  1uF  [C_0402_1005Metric]  273.99 89.39 90 bottom
C5#68  1uF  [C_0402_1005Metric]  216.84 51.29 90 bottom
C5#69  1uF  [C_0402_1005Metric]  197.79 51.29 90 bottom
C5#70  1uF  [C_0402_1005Metric]  216.84 32.24 90 bottom
C5#71  1uF  [C_0402_1005Metric]  159.69 13.19 90 bottom
C5#72  1uF  [C_0402_1005Metric]  45.39 51.29 90 bottom
C5#73  1uF  [C_0402_1005Metric]  121.59 32.24 90 bottom
C5#74  1uF  [C_0402_1005Metric]  254.94 13.19 90 bottom
C5#75  1uF  [C_0402_1005Metric]  121.59 89.39 90 bottom
C5#76  1uF  [C_0402_1005Metric]  83.49 32.24 90 bottom
C5#77  1uF  [C_0402_1005Metric]  45.39 32.24 90 bottom
C5#78  1uF  [C_0402_1005Metric]  178.74 13.19 90 bottom
C5#79  1uF  [C_0402_1005Metric]  140.64 32.24 90 bottom
C5#80  1uF  [C_0402_1005Metric]  273.99 51.29 90 bottom
C6  1uF  [C_0402_1005Metric]  8.25 88.01 0 bottom
C6#2  1uF  [C_0402_1005Metric]  103.5 30.86 0 bottom
C6#3  1uF  [C_0402_1005Metric]  8.25 68.96 0 bottom
C6#4  1uF  [C_0402_1005Metric]  46.36 88.01 0 bottom
C6#5  1uF  [C_0402_1005Metric]  274.95 11.81 0 bottom
C6#6  1uF  [C_0402_1005Metric]  217.81 11.81 0 bottom
C6#7  1uF  [C_0402_1005Metric]  274.95 68.96 0 bottom
C6#8  1uF  [C_0402_1005Metric]  255.9 88.01 0 bottom
C6#9  1uF  [C_0402_1005Metric]  141.6 49.91 0 bottom
C6#10  1uF  [C_0402_1005Metric]  255.9 11.81 0 bottom
C6#11  1uF  [C_0402_1005Metric]  27.3 88.01 0 bottom
C6#12  1uF  [C_0402_1005Metric]  46.36 49.91 0 bottom
C6#13  1uF  [C_0402_1005Metric]  294 68.96 0 bottom
C6#14  1uF  [C_0402_1005Metric]  103.5 68.96 0 bottom
C6#15  1uF  [C_0402_1005Metric]  103.5 88.01 0 bottom
C6#16  1uF  [C_0402_1005Metric]  217.81 30.86 0 bottom
C6#17  1uF  [C_0402_1005Metric]  255.9 30.86 0 bottom
C6#18  1uF  [C_0402_1005Metric]  160.66 49.91 0 bottom
C6#19  1uF  [C_0402_1005Metric]  198.75 88.01 0 bottom
C6#20  1uF  [C_0402_1005Metric]  274.95 88.01 0 bottom
C6#21  1uF  [C_0402_1005Metric]  217.81 68.96 0 bottom
C6#22  1uF  [C_0402_1005Metric]  65.41 30.86 0 bottom
C6#23  1uF  [C_0402_1005Metric]  84.45 88.01 0 bottom
C6#24  1uF  [C_0402_1005Metric]  8.25 11.81 0 bottom
C6#25  1uF  [C_0402_1005Metric]  274.95 30.86 0 bottom
C6#26  1uF  [C_0402_1005Metric]  103.5 49.91 0 bottom
C6#27  1uF  [C_0402_1005Metric]  46.36 30.86 0 bottom
C6#28  1uF  [C_0402_1005Metric]  179.71 11.81 0 bottom
C6#29  1uF  [C_0402_1005Metric]  198.75 30.86 0 bottom
C6#30  1uF  [C_0402_1005Metric]  160.66 30.86 0 bottom
C6#31  1uF  [C_0402_1005Metric]  122.56 68.96 0 bottom
C6#32  1uF  [C_0402_1005Metric]  8.25 30.86 0 bottom
C6#33  1uF  [C_0402_1005Metric]  8.25 49.91 0 bottom
C6#34  1uF  [C_0402_1005Metric]  160.66 88.01 0 bottom
C6#35  1uF  [C_0402_1005Metric]  179.71 68.96 0 bottom
C6#36  1uF  [C_0402_1005Metric]  236.86 88.01 0 bottom
C6#37  1uF  [C_0402_1005Metric]  255.9 49.91 0 bottom
C6#38  1uF  [C_0402_1005Metric]  65.41 49.91 0 bottom
C6#39  1uF  [C_0402_1005Metric]  122.56 30.86 0 bottom
C6#40  1uF  [C_0402_1005Metric]  84.45 68.96 0 bottom